# Altium PCB PASS Capstone.PcbDoc (part 1 of 6) (continued)
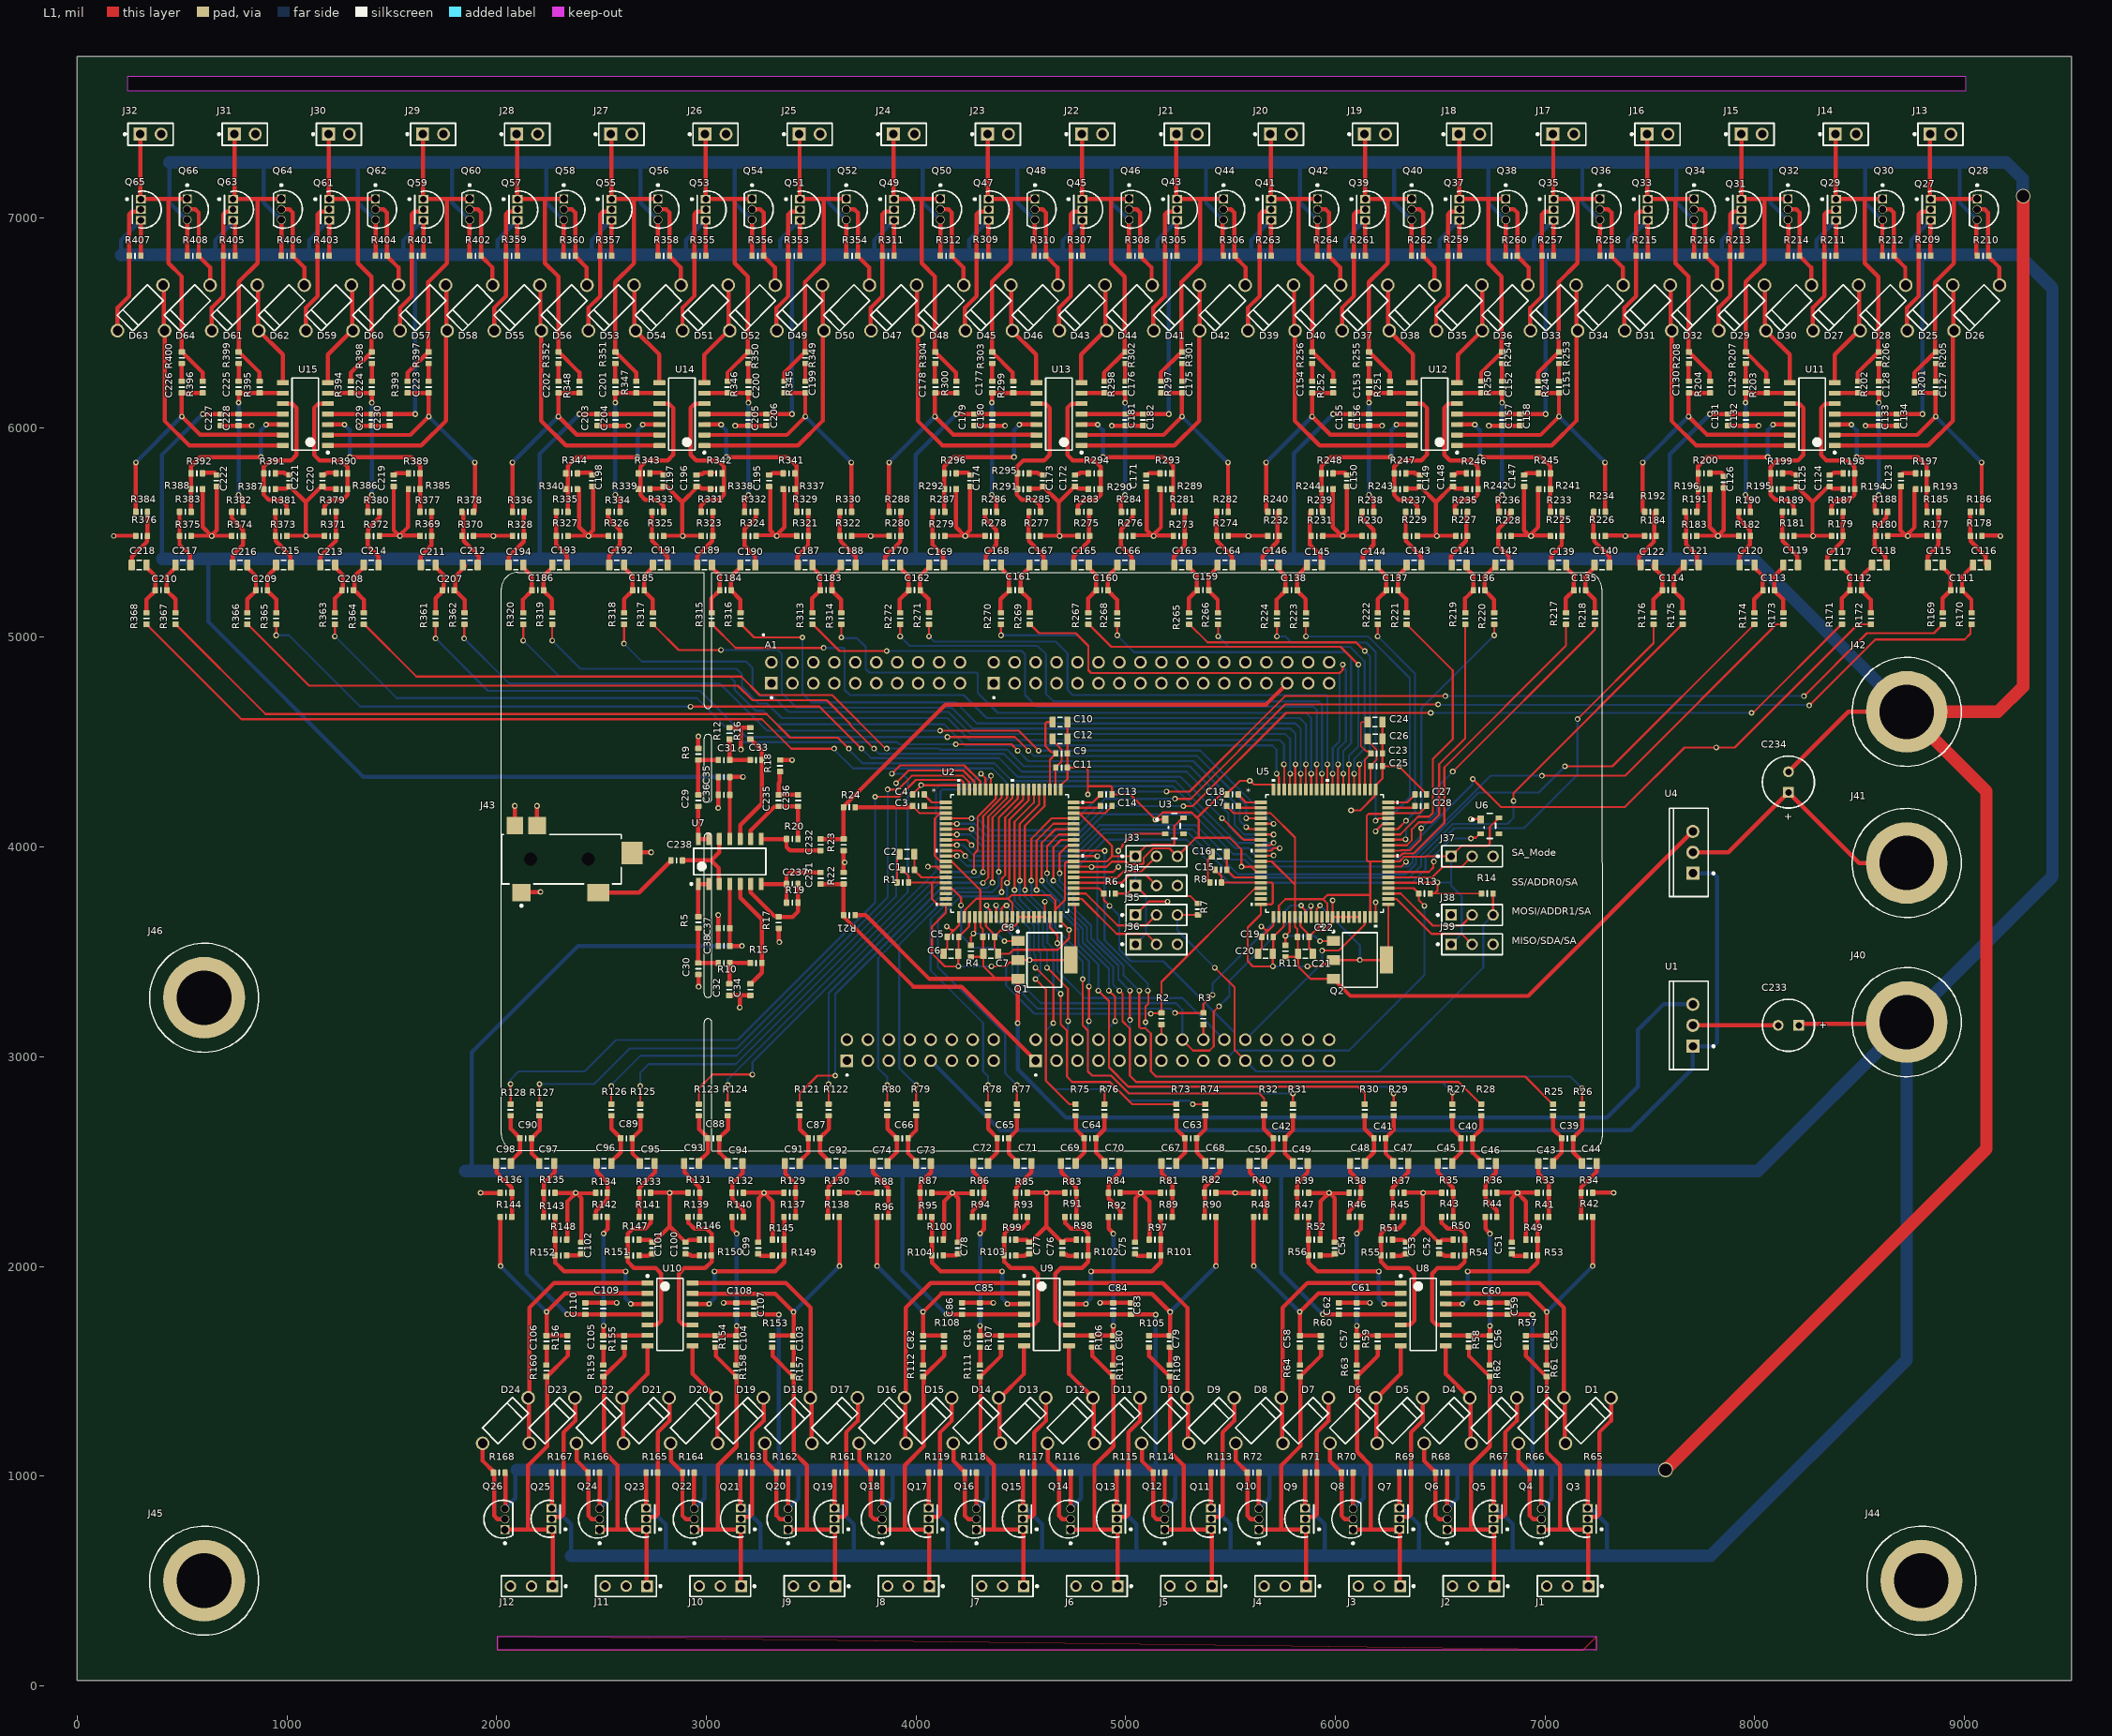
[diagram p0: L1 view]
## Components (designator, comment, footprint, x,y, rotation, side; value= is the part's Value field where it differs from the comment) (continued)
C119 "Capacitor 10µF +/-20% 25V 0805" CAPC0805(2012)145_L 8171.66,5345 r0 top value=10µF
C120 "Capacitor 10µF +/-20% 25V 0805" CAPC0805(2012)145_L 7963.66,5345 r180 top value=10µF
C121 "Capacitor 10µF +/-20% 25V 0805" CAPC0805(2012)145_L 7697.3,5345 r0 top value=10µF
C122 "Capacitor 10µF +/-20% 25V 0805" CAPC0805(2012)145_L 7490.79,5345 r180 top value=10µF
C123 "Capacitor 47nF 0603" CAPC0603(1608)100_L 8697.38,5747.29 r90 top value=47nF
C124 "Capacitor 47nF 0603" CAPC0603(1608)100_L 8357.78,5747.29 r90 top value=47nF
C125 "Capacitor 47nF 0603" CAPC0603(1608)100_L 8200.03,5747.29 r90 top value=47nF
C126 "Capacitor 47nF 0603" CAPC0603(1608)100_L 7853.19,5740.22 r90 top value=47nF
C127 "Capacitor 47nF 0603" CAPC0603(1608)100_L 8863.99,6193.75 r90 top value=47nF
C128 "Capacitor 47nF 0603" CAPC0603(1608)100_L 8592.93,6193.75 r90 top value=47nF
C129 "Capacitor 47nF 0603" CAPC0603(1608)100_L 7957.78,6193.75 r90 top value=47nF
C130 "Capacitor 47nF 0603" CAPC0603(1608)100_L 7686.72,6193.75 r90 top value=47nF
C131 "Capacitor 2.2uF 0603" CAPC0603(1608)100_L 7872.78,6037.44 r270 top value=2.2uF
C132 "Capacitor 100nF 0603" CAPC0603(1608)100_L 7957.78,6037.44 r270 top value=100nF
C133 "Capacitor 100nF 0603" CAPC0603(1608)100_L 8592.93,6037.44 r270 top value=100nF
C134 "Capacitor 2.2uF 0603" CAPC0603(1608)100_L 8677.93,6037.44 r270 top value=2.2uF
C135 "Capacitor 2.7nF 0603" CAPC0603(1608)100_L 7165.99,5225 r0 top value=2.7nF
C136 "Capacitor 2.7nF 0603" CAPC0603(1608)100_L 6685.99,5225 r0 top value=2.7nF
C137 "Capacitor 2.7nF 0603" CAPC0603(1608)100_L 6270.99,5225 r180 top value=2.7nF
C138 "Capacitor 2.7nF 0603" CAPC0603(1608)100_L 5790.99,5225 r180 top value=2.7nF
C139 "Capacitor 10µF +/-20% 25V 0805" CAPC0805(2012)145_L 7065.21,5345 r180 top value=10µF
C140 "Capacitor 10µF +/-20% 25V 0805" CAPC0805(2012)145_L 7271.72,5345 r0 top value=10µF
C141 "Capacitor 10µF +/-20% 25V 0805" CAPC0805(2012)145_L 6590.46,5345 r180 top value=10µF
C142 "Capacitor 10µF +/-20% 25V 0805" CAPC0805(2012)145_L 6798.45,5345 r0 top value=10µF
C143 "Capacitor 10µF +/-20% 25V 0805" CAPC0805(2012)145_L 6375.2,5345 r0 top value=10µF
C144 "Capacitor 10µF +/-20% 25V 0805" CAPC0805(2012)145_L 6167.21,5345 r180 top value=10µF
C145 "Capacitor 10µF +/-20% 25V 0805" CAPC0805(2012)145_L 5900.45,5345 r0 top value=10µF
C146 "Capacitor 10µF +/-20% 25V 0805" CAPC0805(2012)145_L 5693.94,5345 r180 top value=10µF
C147 "Capacitor 47nF 0603" CAPC0603(1608)100_L 6900.53,5747.29 r90 top value=47nF
C148 "Capacitor 47nF 0603" CAPC0603(1608)100_L 6560.93,5747.29 r90 top value=47nF
C149 "Capacitor 47nF 0603" CAPC0603(1608)100_L 6403.18,5747.29 r90 top value=47nF
C150 "Capacitor 47nF 0603" CAPC0603(1608)100_L 6056.34,5747.29 r90 top value=47nF
C151 "Capacitor 47nF 0603" CAPC0603(1608)100_L 7067.14,6193.75 r90 top value=47nF
C152 "Capacitor 47nF 0603" CAPC0603(1608)100_L 6796.08,6193.75 r90 top value=47nF
C153 "Capacitor 47nF 0603" CAPC0603(1608)100_L 6160.93,6193.75 r90 top value=47nF
C154 "Capacitor 47nF 0603" CAPC0603(1608)100_L 5889.87,6193.75 r90 top value=47nF
C155 "Capacitor 2.2uF 0603" CAPC0603(1608)100_L 6075.93,6037.44 r270 top value=2.2uF
C156 "Capacitor 100nF 0603" CAPC0603(1608)100_L 6160.93,6037.44 r270 top value=100nF
C157 "Capacitor 100nF 0603" CAPC0603(1608)100_L 6796.08,6037.44 r270 top value=100nF
C158 "Capacitor 2.2uF 0603" CAPC0603(1608)100_L 6881.08,6037.44 r270 top value=2.2uF
C159 "Capacitor 2.7nF 0603" CAPC0603(1608)100_L 5369.08,5225 r0 top value=2.7nF
C160 "Capacitor 2.7nF 0603" CAPC0603(1608)100_L 4888.11,5225 r0 top value=2.7nF
C161 "Capacitor 2.7nF 0603" CAPC0603(1608)100_L 4473.11,5225 r180 top value=2.7nF
C162 "Capacitor 2.7nF 0603" CAPC0603(1608)100_L 3993.11,5225 r180 top value=2.7nF
C163 "Capacitor 10µF +/-20% 25V 0805" CAPC0805(2012)145_L 5267.33,5345 r180 top value=10µF
C164 "Capacitor 10µF +/-20% 25V 0805" CAPC0805(2012)145_L 5473.84,5345 r0 top value=10µF
C165 "Capacitor 10µF +/-20% 25V 0805" CAPC0805(2012)145_L 4788.96,5345 r180 top value=10µF
C166 "Capacitor 10µF +/-20% 25V 0805" CAPC0805(2012)145_L 4995.87,5345 r0 top value=10µF
C167 "Capacitor 10µF +/-20% 25V 0805" CAPC0805(2012)145_L 4577.32,5345 r0 top value=10µF
C168 "Capacitor 10µF +/-20% 25V 0805" CAPC0805(2012)145_L 4370.3,5345 r180 top value=10µF
C169 "Capacitor 10µF +/-20% 25V 0805" CAPC0805(2012)145_L 4098.26,5345 r0 top value=10µF
C170 "Capacitor 10µF +/-20% 25V 0805" CAPC0805(2012)145_L 3888.5,5345 r180 top value=10µF
C171 "Capacitor 47nF 0603" CAPC0603(1608)100_L 5097.59,5747.29 r90 top value=47nF
C172 "Capacitor 47nF 0603" CAPC0603(1608)100_L 4757.99,5747.29 r90 top value=47nF
C173 "Capacitor 47nF 0603" CAPC0603(1608)100_L 4605.7,5747.29 r90 top value=47nF
C174 "Capacitor 47nF 0603" CAPC0603(1608)100_L 4259.49,5747.29 r90 top value=47nF
C175 "Capacitor 47nF 0603" CAPC0603(1608)100_L 5270.29,6193.75 r90 top value=47nF
C176 "Capacitor 47nF 0603" CAPC0603(1608)100_L 4999.23,6193.75 r90 top value=47nF
C177 "Capacitor 47nF 0603" CAPC0603(1608)100_L 4364.08,6193.75 r90 top value=47nF
C178 "Capacitor 47nF 0603" CAPC0603(1608)100_L 4092.38,6193.75 r90 top value=47nF
C179 "Capacitor 2.2uF 0603" CAPC0603(1608)100_L 4278.45,6037.44 r270 top value=2.2uF
C180 "Capacitor 100nF 0603" CAPC0603(1608)100_L 4364.08,6037.44 r270 top value=100nF
C181 "Capacitor 100nF 0603" CAPC0603(1608)100_L 4999.23,6037.44 r270 top value=100nF
C182 "Capacitor 2.2uF 0603" CAPC0603(1608)100_L 5083.59,6037.44 r270 top value=2.2uF
C183 "Capacitor 2.7nF 0603" CAPC0603(1608)100_L 3571.65,5225 r0 top value=2.7nF
C184 "Capacitor 2.7nF 0603" CAPC0603(1608)100_L 3091.65,5225 r0 top value=2.7nF
C185 "Capacitor 2.7nF 0603" CAPC0603(1608)100_L 2676.65,5225 r180 top value=2.7nF
C186 "Capacitor 2.7nF 0603" CAPC0603(1608)100_L 2196.65,5225 r180 top value=2.7nF
C187 "Capacitor 10µF +/-20% 25V 0805" CAPC0805(2012)145_L 3470.87,5345 r180 top value=10µF
C188 "Capacitor 10µF +/-20% 25V 0805" CAPC0805(2012)145_L 3677.38,5345 r0 top value=10µF
C189 "Capacitor 10µF +/-20% 25V 0805" CAPC0805(2012)145_L 2991.53,5345 r180 top value=10µF
C190 "Capacitor 10µF +/-20% 25V 0805" CAPC0805(2012)145_L 3198.43,5345 r0 top value=10µF
C191 "Capacitor 10µF +/-20% 25V 0805" CAPC0805(2012)145_L 2780.87,5345 r0 top value=10µF
C192 "Capacitor 10µF +/-20% 25V 0805" CAPC0805(2012)145_L 2572.87,5345 r180 top value=10µF
C193 "Capacitor 10µF +/-20% 25V 0805" CAPC0805(2012)145_L 2300.82,5345 r0 top value=10µF
C194 "Capacitor 10µF +/-20% 25V 0805" CAPC0805(2012)145_L 2092.04,5345 r180 top value=10µF
C195 "Capacitor 47nF 0603" CAPC0603(1608)100_L 3299.81,5747.29 r90 top value=47nF
C196 "Capacitor 47nF 0603" CAPC0603(1608)100_L 2952.96,5747.29 r90 top value=47nF
C197 "Capacitor 47nF 0603" CAPC0603(1608)100_L 2795.22,5747.29 r90 top value=47nF
C198 "Capacitor 47nF 0603" CAPC0603(1608)100_L 2455.62,5747.29 r90 top value=47nF
C199 "Capacitor 47nF 0603" CAPC0603(1608)100_L 3472.8,6193.75 r90 top value=47nF
C200 "Capacitor 47nF 0603" CAPC0603(1608)100_L 3201.74,6193.75 r90 top value=47nF
C201 "Capacitor 47nF 0603" CAPC0603(1608)100_L 2566.6,6193.75 r90 top value=47nF
C202 "Capacitor 47nF 0603" CAPC0603(1608)100_L 2295.53,6193.75 r90 top value=47nF
C203 "Capacitor 2.2uF 0603" CAPC0603(1608)100_L 2481.6,6037.44 r270 top value=2.2uF
C204 "Capacitor 100nF 0603" CAPC0603(1608)100_L 2566.6,6037.44 r270 top value=100nF
C205 "Capacitor 100nF 0603" CAPC0603(1608)100_L 3201.74,6037.44 r270 top value=100nF
C206 "Capacitor 2.2uF 0603" CAPC0603(1608)100_L 3286.74,6037.44 r270 top value=2.2uF
C207 "Capacitor 2.7nF 0603" CAPC0603(1608)100_L 1769.55,5225 r0 top value=2.7nF
C208 "Capacitor 2.7nF 0603" CAPC0603(1608)100_L 1289.55,5225 r0 top value=2.7nF
C209 "Capacitor 2.7nF 0603" CAPC0603(1608)100_L 879.75,5225 r180 top value=2.7nF
C210 "Capacitor 2.7nF 0603" CAPC0603(1608)100_L 399.75,5225 r180 top value=2.7nF
C211 "Capacitor 10µF +/-20% 25V 0805" CAPC0805(2012)145_L 1673.97,5345 r180 top value=10µF
C212 "Capacitor 10µF +/-20% 25V 0805" CAPC0805(2012)145_L 1874.1,5345 r0 top value=10µF
C213 "Capacitor 10µF +/-20% 25V 0805" CAPC0805(2012)145_L 1194.62,5345 r180 top value=10µF
C214 "Capacitor 10µF +/-20% 25V 0805" CAPC0805(2012)145_L 1401.53,5345 r0 top value=10µF
C215 "Capacitor 10µF +/-20% 25V 0805" CAPC0805(2012)145_L 983.96,5345 r0 top value=10µF
C216 "Capacitor 10µF +/-20% 25V 0805" CAPC0805(2012)145_L 775.97,5345 r180 top value=10µF
C217 "Capacitor 10µF +/-20% 25V 0805" CAPC0805(2012)145_L 503.92,5345 r0 top value=10µF
C218 "Capacitor 10µF +/-20% 25V 0805" CAPC0805(2012)145_L 295.14,5345 r180 top value=10µF
C219 "Capacitor 47nF 0603" CAPC0603(1608)100_L 1509.34,5747.29 r90 top value=47nF
C220 "Capacitor 47nF 0603" CAPC0603(1608)100_L 1169.75,5747.29 r90 top value=47nF
C221 "Capacitor 47nF 0603" CAPC0603(1608)100_L 1012,5747.29 r90 top value=47nF
C222 "Capacitor 47nF 0603" CAPC0603(1608)100_L 665.15,5747.29 r90 top value=47nF
C223 "Capacitor 47nF 0603" CAPC0603(1608)100_L 1675.95,6193.75 r90 top value=47nF
C224 "Capacitor 47nF 0603" CAPC0603(1608)100_L 1404.89,6193.75 r90 top value=47nF
C225 "Capacitor 47nF 0603" CAPC0603(1608)100_L 769.75,6193.75 r90 top value=47nF
C226 "Capacitor 47nF 0603" CAPC0603(1608)100_L 498.68,6193.75 r90 top value=47nF
C227 "Capacitor 2.2uF 0603" CAPC0603(1608)100_L 684.75,6037.44 r270 top value=2.2uF
C228 "Capacitor 100nF 0603" CAPC0603(1608)100_L 769.75,6037.44 r270 top value=100nF
C229 "Capacitor 100nF 0603" CAPC0603(1608)100_L 1404.89,6037.44 r270 top value=100nF
C230 "Capacitor 2.2uF 0603" CAPC0603(1608)100_L 1489.89,6037.44 r270 top value=2.2uF
C231 "Capacitor 1uF 0603, 12V" CAPC0603(1608)100_L 3545,3851.5 r270 top value=1uF
C232 "Capacitor 1uF 0603, 12V" CAPC0603(1608)100_L 3545,4010.94 r90 top value=1uF
C233 "ECA-2AM220" CAPPR55-250-1120X630X1220 8160.79,3150 r180 top value=22µF
C234 "ECA-2AM220" CAPPR55-250-1120X630X1220 8160.79,4310 r90 top value=22µF
C235 "Capacitor 47nF 0603" CAPC0603(1608)100_L 3345,4221.68 r90 top value=47nF
C236 "Capacitor 47nF 0603" CAPC0603(1608)100_L 3437.67,4221.68 r90 top value=47nF
C237 "Capacitor 10nF 0603, 12V" CAPC0603(1608)100_L 3410.11,3823.94 r180 top value=10nF
C238 "Capacitor 1uF 0603, 12V" CAPC0603(1608)100_L 2858.84,3936.22 r180 top value=1uF
D1 "1N4007" FAIR-DO-41-2 7206.14,1264.79 r45 top
D2 "1N4007" FAIR-DO-41-2 6981.54,1264.79 r45 top
D3 "1N4007" FAIR-DO-41-2 6756.93,1264.79 r45 top
D4 "1N4007" FAIR-DO-41-2 6532.32,1264.79 r45 top
D5 "1N4007" FAIR-DO-41-2 6307.72,1264.79 r45 top
D6 "1N4007" FAIR-DO-41-2 6083.11,1264.79 r45 top
D7 "1N4007" FAIR-DO-41-2 5858.5,1264.79 r45 top
D8 "1N4007" FAIR-DO-41-2 5633.9,1264.79 r45 top
D9 "1N4007" FAIR-DO-41-2 5409.29,1264.79 r45 top
D10 "1N4007" FAIR-DO-41-2 5184.69,1264.79 r45 top
D11 "1N4007" FAIR-DO-41-2 4960.08,1264.79 r45 top
D12 "1N4007" FAIR-DO-41-2 4735.47,1264.79 r45 top
D13 "1N4007" FAIR-DO-41-2 4510.87,1264.79 r45 top
D14 "1N4007" FAIR-DO-41-2 4286.26,1264.79 r45 top
D15 "1N4007" FAIR-DO-41-2 4061.66,1264.79 r45 top
D16 "1N4007" FAIR-DO-41-2 3837.05,1264.79 r45 top
D17 "1N4007" FAIR-DO-41-2 3612.44,1264.79 r45 top
D18 "1N4007" FAIR-DO-41-2 3387.84,1264.79 r45 top
D19 "1N4007" FAIR-DO-41-2 3163.23,1264.79 r45 top
D20 "1N4007" FAIR-DO-41-2 2938.62,1264.79 r45 top
D21 "1N4007" FAIR-DO-41-2 2714.02,1264.79 r45 top
D22 "1N4007" FAIR-DO-41-2 2489.41,1264.79 r45 top
D23 "1N4007" FAIR-DO-41-2 2264.81,1264.79 r45 top
D24 "1N4007" FAIR-DO-41-2 2042.07,1264.79 r45 top
D25 "1N4007" FAIR-DO-41-2 8836.35,6571.43 r225 top
D26 "1N4007" FAIR-DO-41-2 9059.08,6571.43 r225 top
D27 "1N4007" FAIR-DO-41-2 8387.14,6571.43 r225 top
D28 "1N4007" FAIR-DO-41-2 8611.74,6571.43 r225 top
D29 "1N4007" FAIR-DO-41-2 7937.92,6571.43 r225 top
D30 "1N4007" FAIR-DO-41-2 8162.53,6571.43 r225 top
D31 "1N4007" FAIR-DO-41-2 7488.71,6571.43 r225 top
D32 "1N4007" FAIR-DO-41-2 7713.32,6571.43 r225 top
D33 "1N4007" FAIR-DO-41-2 7039.5,6571.43 r225 top
D34 "1N4007" FAIR-DO-41-2 7264.1,6571.43 r225 top
D35 "1N4007" FAIR-DO-41-2 6590.29,6571.43 r225 top
D36 "1N4007" FAIR-DO-41-2 6809.55,6571.43 r225 top
D37 "1N4007" FAIR-DO-41-2 6141.07,6571.43 r225 top
D38 "1N4007" FAIR-DO-41-2 6365.68,6571.43 r225 top
D39 "1N4007" FAIR-DO-41-2 5691.86,6571.43 r225 top
D40 "1N4007" FAIR-DO-41-2 5916.47,6571.43 r225 top
D41 "1N4007" FAIR-DO-41-2 5242.65,6571.43 r225 top
D42 "1N4007" FAIR-DO-41-2 5461.57,6571.43 r225 top
D43 "1N4007" FAIR-DO-41-2 4792.8,6571.43 r225 top
D44 "1N4007" FAIR-DO-41-2 5018.04,6571.43 r225 top
D45 "1N4007" FAIR-DO-41-2 4344.22,6571.43 r225 top
D46 "1N4007" FAIR-DO-41-2 4568.83,6571.43 r225 top
D47 "1N4007" FAIR-DO-41-2 3894.37,6571.43 r225 top
D48 "1N4007" FAIR-DO-41-2 4119.62,6571.43 r225 top
D49 "1N4007" FAIR-DO-41-2 3445.16,6571.43 r225 top
D50 "1N4007" FAIR-DO-41-2 3669.77,6571.43 r225 top
D51 "1N4007" FAIR-DO-41-2 2995.95,6571.43 r225 top
D52 "1N4007" FAIR-DO-41-2 3220.56,6571.43 r225 top
D53 "1N4007" FAIR-DO-41-2 2546.74,6571.43 r225 top
D54 "1N4007" FAIR-DO-41-2 2771.34,6571.43 r225 top
D55 "1N4007" FAIR-DO-41-2 2097.52,6571.43 r225 top
D56 "1N4007" FAIR-DO-41-2 2322.13,6571.43 r225 top
D57 "1N4007" FAIR-DO-41-2 1648.31,6571.43 r225 top
D58 "1N4007" FAIR-DO-41-2 1872.92,6571.43 r225 top
D59 "1N4007" FAIR-DO-41-2 1199.1,6571.43 r225 top
D60 "1N4007" FAIR-DO-41-2 1423.71,6571.43 r225 top
D61 "1N4007" FAIR-DO-41-2 749.89,6571.43 r225 top
D62 "1N4007" FAIR-DO-41-2 974.49,6571.43 r225 top
D63 "1N4007" FAIR-DO-41-2 300.67,6571.43 r225 top
D64 "1N4007" FAIR-DO-41-2 525.28,6571.43 r225 top
J1 "87224-3" FP-87224-3-MFG 7107.73,475 r180 top
J2 "87224-3" FP-87224-3-MFG 6658.72,475 r180 top
J3 "87224-3" FP-87224-3-MFG 6209.72,475 r180 top
J4 "87224-3" FP-87224-3-MFG 5760.72,475 r180 top
J5 "87224-3" FP-87224-3-MFG 5311.72,475 r180 top
J6 "87224-3" FP-87224-3-MFG 4862.72,475 r180 top
J7 "87224-3" FP-87224-3-MFG 4413.72,475 r180 top
J8 "87224-3" FP-87224-3-MFG 3964.72,475 r180 top
J9 "87224-3" FP-87224-3-MFG 3515.72,475 r180 top
J10 "87224-3" FP-87224-3-MFG 3066.72,475 r180 top
J11 "87224-3" FP-87224-3-MFG 2617.72,475 r180 top
J12 "87224-3" FP-87224-3-MFG 2166.39,475 r180 top
J13 "TSW-102-07-L-S" FP-TSW-102-07-L-S-MFG 8885.67,7400 r0 top
J14 "TSW-102-07-L-S" FP-TSW-102-07-L-S-MFG 8434.34,7400 r0 top
J15 "TSW-102-07-L-S" FP-TSW-102-07-L-S-MFG 7985.34,7400 r0 top
J16 "TSW-102-07-L-S" FP-TSW-102-07-L-S-MFG 7536.34,7400 r0 top
J17 "TSW-102-07-L-S" FP-TSW-102-07-L-S-MFG 7087.34,7400 r0 top
J18 "TSW-102-07-L-S" FP-TSW-102-07-L-S-MFG 6638.34,7400 r0 top
J19 "TSW-102-07-L-S" FP-TSW-102-07-L-S-MFG 6189.34,7400 r0 top
J20 "TSW-102-07-L-S" FP-TSW-102-07-L-S-MFG 5740.34,7400 r0 top
J21 "TSW-102-07-L-S" FP-TSW-102-07-L-S-MFG 5291.34,7400 r0 top
J22 "TSW-102-07-L-S" FP-TSW-102-07-L-S-MFG 4840,7400 r0 top
J23 "TSW-102-07-L-S" FP-TSW-102-07-L-S-MFG 4391,7400 r0 top
J24 "TSW-102-07-L-S" FP-TSW-102-07-L-S-MFG 3942,7400 r0 top
J25 "TSW-102-07-L-S" FP-TSW-102-07-L-S-MFG 3493,7400 r0 top
J26 "TSW-102-07-L-S" FP-TSW-102-07-L-S-MFG 3044,7400 r0 top
J27 "TSW-102-07-L-S" FP-TSW-102-07-L-S-MFG 2595,7400 r0 top
J28 "TSW-102-07-L-S" FP-TSW-102-07-L-S-MFG 2146,7400 r0 top
J29 "TSW-102-07-L-S" FP-TSW-102-07-L-S-MFG 1697,7400 r0 top
J30 "TSW-102-07-L-S" FP-TSW-102-07-L-S-MFG 1248,7400 r0 top
J31 "TSW-102-07-L-S" FP-TSW-102-07-L-S-MFG 799,7400 r0 top
J32 "TSW-102-07-L-S" FP-TSW-102-07-L-S-MFG 350,7400 r0 top
J33 "87224-3" FP-87224-3-MFG 5147.07,3956.22 r0 top
J34 "87224-3" FP-87224-3-MFG 5147.07,3816.22 r0 top
J35 "87224-3" FP-87224-3-MFG 5147.07,3676.22 r0 top
J36 "87224-3" FP-87224-3-MFG 5147.07,3536.22 r0 top
J37 "87224-3" FP-87224-3-MFG 6652.07,3956.22 r0 top
J38 "87224-3" FP-87224-3-MFG 6652.07,3676.22 r0 top
J39 "87224-3" FP-87224-3-MFG 6652.07,3536.22 r0 top
J40 "4900-6" FP-4900-6-MFG 8725,3165 r0 top
J41 "4900-6" FP-4900-6-MFG 8725,3924.18 r0 top
J42 "4900-6" FP-4900-6-MFG 8725,4645 r0 top
J43 "35RASMT4BHNTRX" SWIT-35RASMT4BHNTRX_V 2366.48,3942.34 r0 top
J44 "4900-6" FP-4900-6-MFG 8795,501.4 r0 top (schematic designator J42)
J45 "4900-6" FP-4900-6-MFG 605,501.4 r0 top (schematic designator J42)
J46 "4900-6" FP-4900-6-MFG 605,3281.4 r0 top (schematic designator J42)
Q1 "FZT953TA" DIOD-SOT223-4_V 4612.07,3461.22 r0 top
Q2 "FZT953TA" DIOD-SOT223-4_V 6117.07,3461.22 r0 top
Q3 "S9013" JSCJ-TO-92-3_V 7203.31,796.22 r90 top
Q4 "S8550" UNIC-TO-92-3 6982.45,794.65 r270 top
Q5 "S9013" JSCJ-TO-92-3_V 6754.31,796.22 r90 top
Q6 "S8550" UNIC-TO-92-3 6533.45,794.65 r270 top
Q7 "S9013" JSCJ-TO-92-3_V 6305.31,796.22 r90 top
Q8 "S8550" UNIC-TO-92-3 6084.45,794.65 r270 top
Q9 "S9013" JSCJ-TO-92-3_V 5856.31,796.22 r90 top
Q10 "S8550" UNIC-TO-92-3 5635.45,794.65 r270 top
Q11 "S9013" JSCJ-TO-92-3_V 5407.31,796.22 r90 top
Q12 "S8550" UNIC-TO-92-3 5186.45,794.65 r270 top
Q13 "S9013" JSCJ-TO-92-3_V 4958.31,796.22 r90 top
Q14 "S8550" UNIC-TO-92-3 4737.45,794.65 r270 top
Q15 "S9013" JSCJ-TO-92-3_V 4509.31,796.22 r90 top
Q16 "S8550" UNIC-TO-92-3 4288.45,794.65 r270 top
Q17 "S9013" JSCJ-TO-92-3_V 4060.31,796.22 r90 top
Q18 "S8550" UNIC-TO-92-3 3839.45,794.65 r270 top
Q19 "S9013" JSCJ-TO-92-3_V 3611.31,796.22 r90 top
Q20 "S8550" UNIC-TO-92-3 3390.45,794.65 r270 top
Q21 "S9013" JSCJ-TO-92-3_V 3165.12,796.22 r90 top
Q22 "S8550" UNIC-TO-92-3 2942.85,794.65 r270 top
Q23 "S9013" JSCJ-TO-92-3_V 2713.31,796.22 r90 top
Q24 "S8550" UNIC-TO-92-3 2491.28,794.65 r270 top
Q25 "S9013" JSCJ-TO-92-3_V 2261.97,796.22 r90 top
Q26 "S8550" UNIC-TO-92-3 2040.04,794.65 r270 top
Q27 "S9013" JSCJ-TO-92-3_V 8839.18,7040 r270 top
Q28 "S8550" UNIC-TO-92-3 9061.11,7041.57 r90 top
Q29 "S9013" JSCJ-TO-92-3_V 8387.85,7040 r270 top
Q30 "S8550" UNIC-TO-92-3 8609.87,7041.57 r90 top
Q31 "S9013" JSCJ-TO-92-3_V 7936.04,7040 r270 top
Q32 "S8550" UNIC-TO-92-3 8158.3,7041.57 r90 top
Q33 "S9013" JSCJ-TO-92-3_V 7489.85,7040 r270 top
Q34 "S8550" UNIC-TO-92-3 7710.71,7041.57 r90 top
Q35 "S9013" JSCJ-TO-92-3_V 7040.85,7040 r270 top
Q36 "S8550" UNIC-TO-92-3 7261.71,7041.57 r90 top
Q37 "S9013" JSCJ-TO-92-3_V 6591.85,7040 r270 top
Q38 "S8550" UNIC-TO-92-3 6812.71,7041.57 r90 top
Q39 "S9013" JSCJ-TO-92-3_V 6142.85,7040 r270 top
Q40 "S8550" UNIC-TO-92-3 6363.7,7041.57 r90 top
Q41 "S9013" JSCJ-TO-92-3_V 5693.85,7040 r270 top
Q42 "S8550" UNIC-TO-92-3 5914.7,7041.57 r90 top
Q43 "S9013" JSCJ-TO-92-3_V 5244.85,7040 r270 top
Q44 "S8550" UNIC-TO-92-3 5466.77,7041.57 r90 top
Q45 "S9013" JSCJ-TO-92-3_V 4793.51,7040 r270 top
Q46 "S8550" UNIC-TO-92-3 5016.7,7041.57 r90 top
Q47 "S9013" JSCJ-TO-92-3_V 4346.85,7040 r270 top
Q48 "S8550" UNIC-TO-92-3 4567.7,7041.57 r90 top
Q49 "S9013" JSCJ-TO-92-3_V 3895.51,7040 r270 top
Q50 "S8550" UNIC-TO-92-3 4116.37,7041.57 r90 top
Q51 "S9013" JSCJ-TO-92-3_V 3446.51,7040 r270 top
Q52 "S8550" UNIC-TO-92-3 3667.37,7041.57 r90 top
Q53 "S9013" JSCJ-TO-92-3_V 2997.51,7040 r270 top
Q54 "S8550" UNIC-TO-92-3 3218.37,7041.57 r90 top
Q55 "S9013" JSCJ-TO-92-3_V 2548.51,7040 r270 top
Q56 "S8550" UNIC-TO-92-3 2769.37,7041.57 r90 top
Q57 "S9013" JSCJ-TO-92-3_V 2099.51,7040 r270 top
Q58 "S8550" UNIC-TO-92-3 2320.37,7041.57 r90 top
Q59 "S9013" JSCJ-TO-92-3_V 1650.51,7040 r270 top
Q60 "S8550" UNIC-TO-92-3 1871.37,7041.57 r90 top
Q61 "S9013" JSCJ-TO-92-3_V 1201.51,7040 r270 top
Q62 "S8550" UNIC-TO-92-3 1422.37,7041.57 r90 top
Q63 "S9013" JSCJ-TO-92-3_V 743.29,7040 r270 top
Q64 "S8550" UNIC-TO-92-3 973.37,7041.57 r90 top
Q65 "S9013" JSCJ-TO-92-3_V 303.51,7040 r270 top
Q66 "S8550" UNIC-TO-92-3 524.37,7041.57 r90 top
R1 "Resistor 3.32k 0603 , 6V" RESC0603(1608)_L 3937.07,3831.22 r180 top value=3.32k
R2 "0Ohm 0603" RESC0603(1608)_L 5170.59,3181.22 r270 top value=0
R3 "0" RESC0603(1608)_L 5370.59,3181.22 r270 top
R4 "Resistor 1k 0603, 6V" RESC0603(1608)_L 4262.07,3503.78 r270 top value=1k
R5 "Resistor 20k 0603, 12V" RESC0603(1608)_L 2962.07,3640.76 r90 top value=20k
R6 "Resistor 1k 0603, 6V" RESC0603(1608)_L 4923.39,3778.42 r180 top value=1k
R7 "Ressitor 1k 0603, 6V" RESC0603(1608)_L 5345,3703.78 r270 top value=1k
R8 "Resistor 3.32k 0603, 6V" RESC0603(1608)_L 5429.51,3831.22 r180 top value=3.32k
R9 "Resistor 80k 0603, 12V" RESC0603(1608)_L 2962.07,4442.82 r90 top value=80k
R10 "Resistor 20k 0603, 12V" RESC0603(1608)_L 3084.51,3447.18 r180 top value=20k
R11 ", 6V" RESC0603(1608)_L 5762.07,3503.78 r270 top value=1k
R12 "Resistor 80k 0603, 12V" RESC0603(1608)_L 3111.03,4542.44 r90 top value=80k
R13 "Resistor 1k 0603, 6V" RESC0603(1608)_L 6425,3778.42 r180 top value=1k
R14 "Resistor 1k 0603, 6V" RESC0603(1608)_L 6724.51,3778.42 r0 top value=1k
R15 "Resistor 20k 0603, 12V" RESC0603(1608)_L 3237.56,3447.18 r180 top value=20k
R16 "Resistor 80k 0603, 12V" RESC0603(1608)_L 3210,4542.44 r90 top value=80k
R17 "Resistor 1k 0603, 12V" RESC0603(1608)_L 3345,3640 r270 top value=1k
R18 "Resistor 1k 0603, 12V" RESC0603(1608)_L 3351.69,4387.7 r90 top value=1k
R19 "Resistor 12k 0603, 12V" RESC0603(1608)_L 3410.11,3735 r0 top value=12k
R20 "Resistor 12k 0603, 12V" RESC0603(1608)_L 3410.11,4038.5 r0 top value=12k
R21 "Resistor 10k 0603, 12V" RESC0603(1608)_L 3682.56,3675 r180 top value=10k
R22 "Resistor 10k 0603, 12V" RESC0603(1608)_L 3655,3851.5 r90 top value=10K
R23 "Resistor 10k 0603, 12V" RESC0603(1608)_L 3655,4010.94 r270 top value=10k
R24 "Resistor 10k 0603, 12V" RESC0603(1608)_L 3682.56,4190 r180 top value=10k
R25 "237" RESC0603(1608)_L 7038.33,2746.22 r270 top
R26 "237" RESC0603(1608)_L 7176.64,2746.22 r270 top
R27 "237" RESC0603(1608)_L 6557.89,2746.22 r270 top
R28 "237" RESC0603(1608)_L 6695.81,2746.22 r270 top
R29 "237" RESC0603(1608)_L 6278.25,2746.22 r270 top
R30 "237" RESC0603(1608)_L 6140.33,2746.22 r270 top
R31 "237" RESC0603(1608)_L 5797.81,2746.22 r270 top
R32 "237" RESC0603(1608)_L 5659.89,2746.22 r270 top
R33 "49.9k Ohm 0603" RESC0603(1608)_L 6991.08,2351.22 r0 top value=49.9k
R34 "49.9k Ohm 0603" RESC0603(1608)_L 7199.86,2351.22 r0 top value=49.9k
R35 "49.9k Ohm 0603" RESC0603(1608)_L 6534.66,2351.22 r0 top value=49.9k
R36 "49.9k Ohm 0603" RESC0603(1608)_L 6742.66,2351.22 r0 top value=49.9k
R37 "49.9k Ohm 0603" RESC0603(1608)_L 6300.38,2351.22 r180 top value=49.9k
R38 "49.9k Ohm 0603" RESC0603(1608)_L 6093.48,2351.22 r180 top value=49.9k
R39 "49.9k Ohm 0603" RESC0603(1608)_L 5844.66,2351.22 r180 top value=49.9k
R40 "49.9k Ohm 0603" RESC0603(1608)_L 5638.15,2351.22 r180 top value=49.9k
R41 "6.6k 0603" RESC0603(1608)_L 6991.08,2236.22 r0 top value=6.6k
R42 "6.6k 0603" RESC0603(1608)_L 7199.86,2236.22 r180 top value=6.6k
R43 "6.6k 0603" RESC0603(1608)_L 6534.66,2236.22 r0 top value=6.6k
R44 "6.6k 0603" RESC0603(1608)_L 6742.66,2236.22 r0 top value=6.6k
R45 "6.6k 0603" RESC0603(1608)_L 6300.38,2236.22 r180 top value=6.6k
R46 "6.6k 0603" RESC0603(1608)_L 6093.48,2236.22 r180 top value=6.6k
R47 "6.6k 0603" RESC0603(1608)_L 5844.66,2236.22 r180 top value=6.6k
R48 "6.6k 0603" RESC0603(1608)_L 5638.15,2236.22 r0 top value=6.6k
R49 "1k 0603" RESC0603(1608)_L 6936.36,2127.57 r180 top value=1k
R50 "1k 0603" RESC0603(1608)_L 6589.39,2127.57 r180 top value=1k
R51 "1k 0603" RESC0603(1608)_L 6245.26,2127.57 r0 top value=1k
R52 "1k 0603" RESC0603(1608)_L 5899.78,2127.57 r0 top value=1k
R53 "2k 0603" RESC0603(1608)_L 6936.36,2052.57 r180 top value=2k
R54 "2k 0603" RESC0603(1608)_L 6589.39,2052.57 r180 top value=2k
R55 "2k 0603" RESC0603(1608)_L 6245.26,2052.57 r0 top value=2k
R56 "2k 0603" RESC0603(1608)_L 5899.78,2052.57 r0 top value=2k
R57 "1k 0603" RESC0603(1608)_L 6908.13,1642.47 r90 top value=1k
R58 "1k 0603" RESC0603(1608)_L 6637.07,1642.47 r90 top value=1k
R59 "1k 0603" RESC0603(1608)_L 6201.93,1642.47 r90 top value=1k
R60 "1k 0603" RESC0603(1608)_L 5930.86,1642.47 r90 top value=1k
R61 "2k 0603" RESC0603(1608)_L 7008.13,1502.47 r90 top value=2k
R62 "2k 0603" RESC0603(1608)_L 6737.07,1502.47 r90 top value=2k
R63 "2k 0603" RESC0603(1608)_L 6101.93,1502.47 r90 top value=2k
R64 "2k 0603" RESC0603(1608)_L 5830.86,1502.47 r90 top value=2k
R65 "560 0603" RESC0603(1608)_L 7230.87,1016.22 r0 top value=560
R66 "560 0603" RESC0603(1608)_L 6954.89,1016.22 r0 top value=560
R67 "560 0603" RESC0603(1608)_L 6781.87,1016.22 r0 top value=560
R68 "560 0603" RESC0603(1608)_L 6505.89,1016.22 r0 top value=560
R69 "560 0603" RESC0603(1608)_L 6332.87,1016.22 r0 top value=560
R70 "560 0603" RESC0603(1608)_L 6056.89,1016.22 r0 top value=560
R71 "560 0603" RESC0603(1608)_L 5883.87,1016.22 r0 top value=560
R72 "560 0603" RESC0603(1608)_L 5607.89,1016.22 r0 top value=560
R73 "237" RESC0603(1608)_L 5241.43,2746.22 r270 top
R74 "237" RESC0603(1608)_L 5379.73,2746.22 r270 top
R75 "237" RESC0603(1608)_L 4760.99,2746.22 r270 top
R76 "237" RESC0603(1608)_L 4898.91,2746.22 r270 top
R77 "237" RESC0603(1608)_L 4481.34,2746.22 r270 top
R78 "237" RESC0603(1608)_L 4343.43,2746.22 r270 top
R79 "237" RESC0603(1608)_L 4000.91,2746.22 r270 top
R80 "237" RESC0603(1608)_L 3862.99,2746.22 r270 top
R81 "49.9k Ohm 0603" RESC0603(1608)_L 5194.18,2351.22 r0 top value=49.9k
R82 "49.9k Ohm 0603" RESC0603(1608)_L 5402.96,2351.22 r0 top value=49.9k
R83 "49.9k Ohm 0603" RESC0603(1608)_L 4737.76,2351.22 r0 top value=49.9k
R84 "49.9k Ohm 0603" RESC0603(1608)_L 4945.76,2351.22 r0 top value=49.9k
R85 "49.9k Ohm 0603" RESC0603(1608)_L 4503.48,2351.22 r180 top value=49.9k
R86 "49.9k Ohm 0603" RESC0603(1608)_L 4296.57,2351.22 r180 top value=49.9k
R87 "49.9k Ohm 0603" RESC0603(1608)_L 4047.76,2351.22 r180 top value=49.9k
R88 "49.9k Ohm 0603" RESC0603(1608)_L 3841.24,2351.22 r180 top value=49.9k
R89 "6.6k 0603" RESC0603(1608)_L 5194.18,2236.22 r0 top value=6.6k
R90 "6.6k 0603" RESC0603(1608)_L 5402.96,2236.22 r180 top value=6.6k
R91 "6.6k 0603" RESC0603(1608)_L 4737.76,2236.22 r0 top value=6.6k
R92 "6.6k 0603" RESC0603(1608)_L 4945.76,2236.22 r0 top value=6.6k
R93 "6.6k 0603" RESC0603(1608)_L 4503.48,2236.22 r180 top value=6.6k
R94 "6.6k 0603" RESC0603(1608)_L 4296.57,2236.22 r180 top value=6.6k
R95 "6.6k 0603" RESC0603(1608)_L 4047.76,2236.22 r180 top value=6.6k
R96 "6.6k 0603" RESC0603(1608)_L 3841.24,2236.22 r0 top value=6.6k
R97 "1k 0603" RESC0603(1608)_L 5139.51,2127.57 r180 top value=1k
R98 "1k 0603" RESC0603(1608)_L 4792.54,2127.57 r180 top value=1k
R99 "1k 0603" RESC0603(1608)_L 4448.42,2127.57 r0 top value=1k
R100 "1k 0603" RESC0603(1608)_L 4102.93,2127.57 r0 top value=1k
R101 "2k 0603" RESC0603(1608)_L 5139.51,2052.57 r180 top value=2k
R102 "2k 0603" RESC0603(1608)_L 4792.54,2052.57 r180 top value=2k
R103 "2k 0603" RESC0603(1608)_L 4448.42,2052.57 r0 top value=2k
R104 "2k 0603" RESC0603(1608)_L 4102.93,2052.57 r0 top value=2k
R105 "1k 0603" RESC0603(1608)_L 5111.28,1642.47 r90 top value=1k
R106 "1k 0603" RESC0603(1608)_L 4840.22,1642.47 r90 top value=1k
R107 "1k 0603" RESC0603(1608)_L 4405.08,1642.47 r90 top value=1k
R108 "1k 0603" RESC0603(1608)_L 4134.01,1642.47 r90 top value=1k
R109 "2k 0603" RESC0603(1608)_L 5211.28,1502.47 r90 top value=2k
R110 "2k 0603" RESC0603(1608)_L 4940.22,1502.47 r90 top value=2k
R111 "2k 0603" RESC0603(1608)_L 4305.08,1502.47 r90 top value=2k
R112 "2k 0603" RESC0603(1608)_L 4034.01,1502.47 r90 top value=2k
R113 "560 0603" RESC0603(1608)_L 5434.87,1016.22 r0 top value=560
R114 "560 0603" RESC0603(1608)_L 5158.89,1016.22 r0 top value=560
R115 "560 0603" RESC0603(1608)_L 4985.87,1016.22 r0 top value=560
R116 "560 0603" RESC0603(1608)_L 4709.89,1016.22 r0 top value=560
R117 "560 0603" RESC0603(1608)_L 4536.87,1016.22 r0 top value=560
R118 "560 0603" RESC0603(1608)_L 4260.89,1016.22 r0 top value=560
R119 "560 0603" RESC0603(1608)_L 4087.87,1016.22 r0 top value=560
R120 "560 0603" RESC0603(1608)_L 3811.89,1016.22 r0 top value=560
R121 "237" RESC0603(1608)_L 3444.63,2746.22 r270 top
R122 "237" RESC0603(1608)_L 3583.28,2746.22 r270 top
R123 "237" RESC0603(1608)_L 2964.19,2746.22 r270 top
R124 "237" RESC0603(1608)_L 3102.45,2746.22 r270 top
R125 "237" RESC0603(1608)_L 2684.89,2746.22 r270 top
R126 "237" RESC0603(1608)_L 2546.97,2746.22 r270 top
R127 "237" RESC0603(1608)_L 2204.45,2746.22 r270 top
R128 "237" RESC0603(1608)_L 2066.53,2746.22 r270 top
R129 "49.9k Ohm 0603" RESC0603(1608)_L 3397.73,2351.22 r0 top value=49.9k
R130 "49.9k Ohm 0603" RESC0603(1608)_L 3606.51,2351.22 r0 top value=49.9k
R131 "49.9k Ohm 0603" RESC0603(1608)_L 2941.31,2351.22 r0 top value=49.9k
R132 "49.9k Ohm 0603" RESC0603(1608)_L 3149.3,2351.22 r0 top value=49.9k
R133 "49.9k Ohm 0603" RESC0603(1608)_L 2706.68,2351.22 r180 top value=49.9k
R134 "49.9k Ohm 0603" RESC0603(1608)_L 2500.12,2351.22 r180 top value=49.9k
R135 "49.9k Ohm 0603" RESC0603(1608)_L 2251.3,2351.22 r180 top value=49.9k
R136 "49.9k Ohm 0603" RESC0603(1608)_L 2044.79,2351.22 r180 top value=49.9k
R137 "6.6k 0603" RESC0603(1608)_L 3397.73,2236.22 r0 top value=6.6k
R138 "6.6k 0603" RESC0603(1608)_L 3606.51,2236.22 r180 top value=6.6k
R139 "6.6k 0603" RESC0603(1608)_L 2941.31,2236.22 r0 top value=6.6k
R140 "6.6k 0603" RESC0603(1608)_L 3149.3,2236.22 r0 top value=6.6k
R141 "6.6k 0603" RESC0603(1608)_L 2706.68,2236.22 r180 top value=6.6k
R142 "6.6k 0603" RESC0603(1608)_L 2500.12,2236.22 r180 top value=6.6k
R143 "6.6k 0603" RESC0603(1608)_L 2251.3,2236.22 r180 top value=6.6k
R144 "6.6k 0603" RESC0603(1608)_L 2044.79,2236.22 r0 top value=6.6k
R145 "1k 0603" RESC0603(1608)_L 3342.66,2127.57 r180 top value=1k
R146 "1k 0603" RESC0603(1608)_L 2995.69,2127.57 r180 top value=1k
R147 "1k 0603" RESC0603(1608)_L 2651.57,2127.57 r0 top value=1k
R148 "1k 0603" RESC0603(1608)_L 2306.08,2127.57 r0 top value=1k
R149 "2k 0603" RESC0603(1608)_L 3342.66,2052.57 r180 top value=2k
R150 "2k 0603" RESC0603(1608)_L 2995.69,2052.57 r180 top value=2k
R151 "2k 0603" RESC0603(1608)_L 2651.57,2052.57 r0 top value=2k
R152 "2k 0603" RESC0603(1608)_L 2306.08,2052.57 r0 top value=2k
R153 "1k 0603" RESC0603(1608)_L 3314.43,1642.47 r90 top value=1k
R154 "1k 0603" RESC0603(1608)_L 3043.37,1642.47 r90 top value=1k
R155 "1k 0603" RESC0603(1608)_L 2608.23,1642.47 r90 top value=1k
R156 "1k 0603" RESC0603(1608)_L 2337.16,1642.47 r90 top value=1k
R157 "2k 0603" RESC0603(1608)_L 3414.43,1502.47 r90 top value=2k
R158 "2k 0603" RESC0603(1608)_L 3143.37,1502.47 r90 top value=2k
R159 "2k 0603" RESC0603(1608)_L 2508.23,1502.47 r90 top value=2k
R160 "2k 0603" RESC0603(1608)_L 2237.16,1502.47 r90 top value=2k
R161 "560 0603" RESC0603(1608)_L 3638.87,1016.22 r0 top value=560
R162 "560 0603" RESC0603(1608)_L 3362.89,1016.22 r0 top value=560
R163 "560 0603" RESC0603(1608)_L 3192.68,1016.22 r0 top value=560
R164 "560 0603" RESC0603(1608)_L 2915.29,1016.22 r0 top value=560
R165 "560 0603" RESC0603(1608)_L 2740.86,1016.22 r0 top value=560
R166 "560 0603" RESC0603(1608)_L 2463.72,1016.22 r0 top value=560
R167 "560 0603" RESC0603(1608)_L 2289.53,1016.22 r0 top value=560
R168 "560 0603" RESC0603(1608)_L 2012.48,1016.22 r0 top value=560
R169 "237" RESC0603(1608)_L 8896.7,5090 r90 top
R170 "237" RESC0603(1608)_L 9034.62,5090 r90 top
R171 "237" RESC0603(1608)_L 8416.27,5090 r90 top
R172 "237" RESC0603(1608)_L 8554.18,5090 r90 top
R173 "237" RESC0603(1608)_L 8136.96,5090 r90 top
R174 "237" RESC0603(1608)_L 7998.7,5090 r90 top
R175 "237" RESC0603(1608)_L 7656.52,5090 r90 top
R176 "237" RESC0603(1608)_L 7517.88,5090 r90 top
R177 "49.9k Ohm 0603" RESC0603(1608)_L 8849.85,5483.65 r0 top value=49.9k
R178 "49.9k Ohm 0603" RESC0603(1608)_L 9056.37,5483.65 r0 top value=49.9k
R179 "49.9k Ohm 0603" RESC0603(1608)_L 8394.47,5483.65 r0 top value=49.9k
R180 "49.9k Ohm 0603" RESC0603(1608)_L 8607.11,5483.65 r0 top value=49.9k
R181 "49.9k Ohm 0603" RESC0603(1608)_L 8159.85,5483.65 r180 top value=49.9k
R182 "49.9k Ohm 0603" RESC0603(1608)_L 7951.85,5483.65 r180 top value=49.9k
R183 "49.9k Ohm 0603" RESC0603(1608)_L 7695.48,5483.65 r180 top value=49.9k
R184 "49.9k Ohm 0603" RESC0603(1608)_L 7502.6,5483.65 r180 top value=49.9k
R185 "6.6k 0603" RESC0603(1608)_L 8849.85,5598.65 r0 top value=6.6k
R186 "6.6k 0603" RESC0603(1608)_L 9056.37,5598.65 r180 top value=6.6k
R187 "6.6k 0603" RESC0603(1608)_L 8394.47,5598.65 r0 top value=6.6k
R188 "6.6k 0603" RESC0603(1608)_L 8607.11,5598.65 r0 top value=6.6k
R189 "6.6k 0603" RESC0603(1608)_L 8159.85,5598.65 r180 top value=6.6k
R190 "6.6k 0603" RESC0603(1608)_L 7951.85,5598.65 r180 top value=6.6k
R191 "6.6k 0603" RESC0603(1608)_L 7695.48,5598.65 r180 top value=6.6k